# Altium PCB H7.PcbDoc (part 3 of 3)
Units mil, origin at the board's own origin, x right, y up, seen from the top; angles counter-clockwise.
Board outline 6496.06 x 3937.01 mil, 2 copper layers (Top Layer, Bottom Layer); 118 components, 150 nets, 635 pads, 5958 vias.
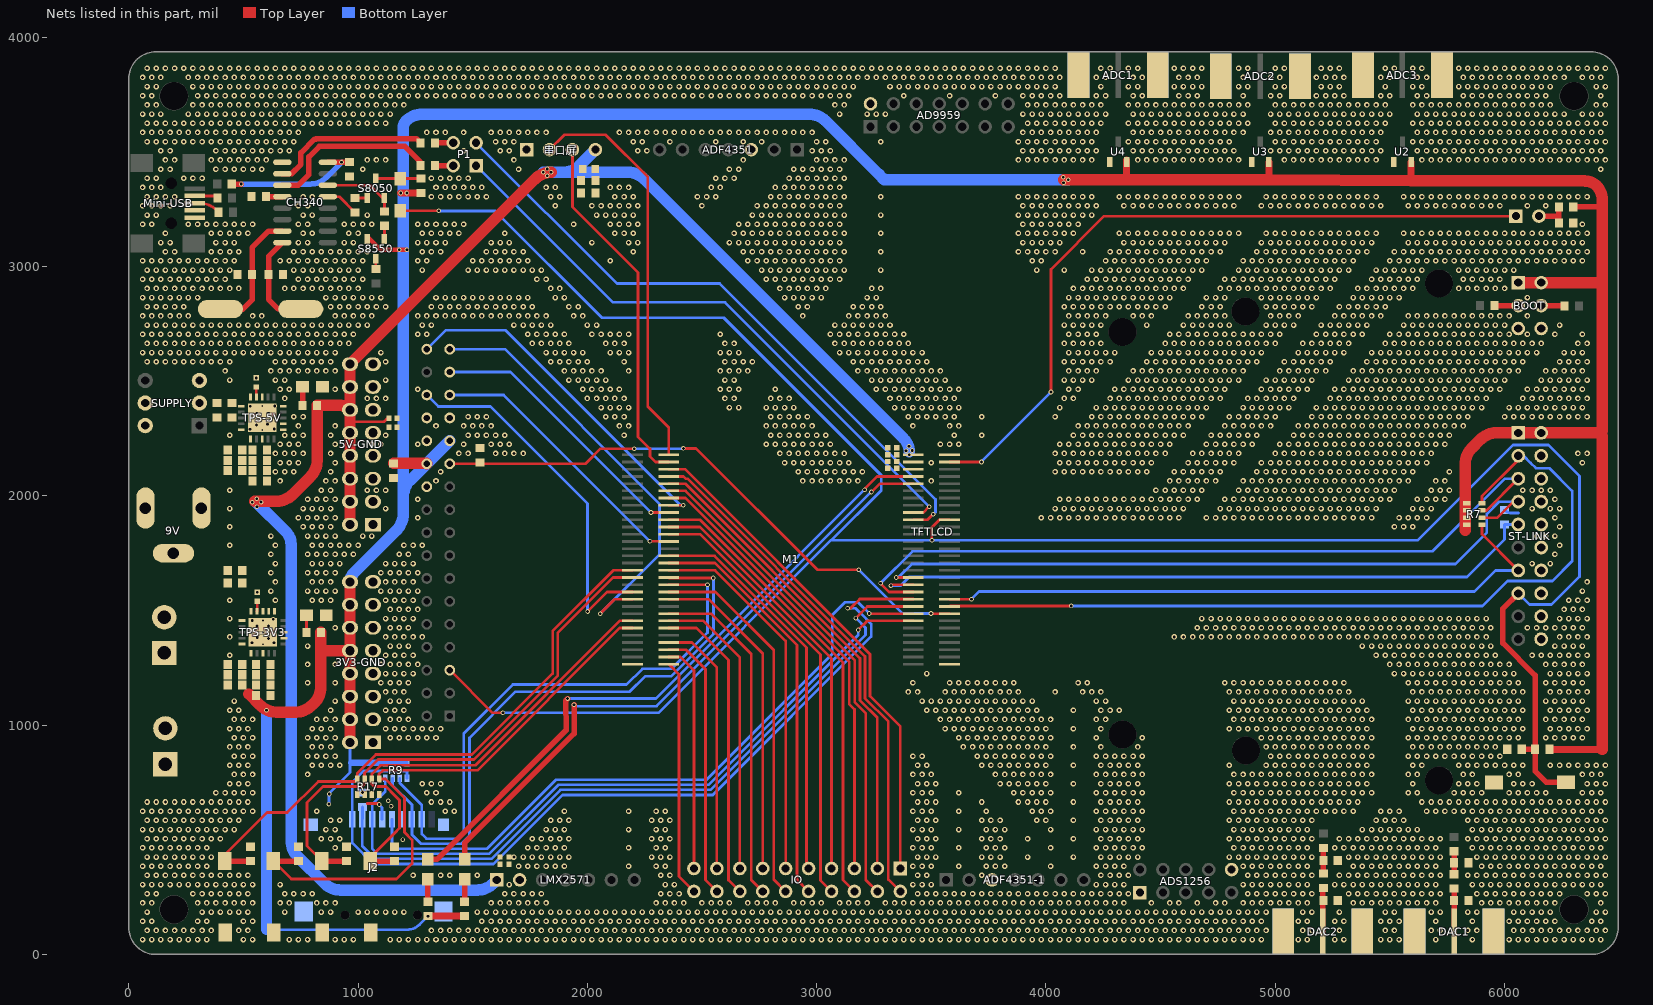
[diagram p3: the nets of this part, all layers, seen from the top]

## Via types
v1: diameter 24, hole 12, Top Layer to Bottom Layer, tented both sides, 5847 vias
v2: diameter 20, hole 12, Top Layer to Bottom Layer, tented both sides, 111 vias

## Nets (pads, with @x,y where several pads share a name; then routed paths per layer and width w, separated by ;. In a path a pad name is that pad's centre, name@x,y a point inside that pad or via, vN(x,y) a via of type N, cw(c..) or ccw(c..) an arc to the next point about the centre after c; other vN are vias at no path point) (continued)
GND: (continued)
  other v1: 5020,3585 5060,3585 5100,3585 5140,3585 5180,3585 5220,3585 5260,3585 5300,3585 5340,3585 5380,3585 5420,3585 5460,3585 5620,3585 5660,3585 5700,3585 5740,3585 5780,3585 5820,3585 5860,3585 5900,3585 5940,3585 5980,3585 6020,3585 6060,3585 6100,3585 6140,3585 6180,3585 6220,3585 6260,3585 6300,3585 6340,3585 6380,3585 6420,3585 80,3625 120,3625 160,3625 200,3625 240,3625 280,3625 320,3625 360,3625 400,3625 440,3625 480,3625 520,3625 560,3625 600,3625 640,3625 680,3625 720,3625 760,3625 800,3625 840,3625 880,3625 920,3625 960,3625 1000,3625 1040,3625 1080,3625 1120,3625 3920,3625 3960,3625 4000,3625 4040,3625 4080,3625 4120,3625 4160,3625 4200,3625 4240,3625 4360,3625 4400,3625 4440,3625 4480,3625 4520,3625 4560,3625 4600,3625 4640,3625 4680,3625 4720,3625 4760,3625 4800,3625 4840,3625 4880,3625 5000,3625 5040,3625 5080,3625 5120,3625 5160,3625 5200,3625 5240,3625 5280,3625 5320,3625 5360,3625 5400,3625 5440,3625 5480,3625 5600,3625 5640,3625 5680,3625 5720,3625 5760,3625 5800,3625 5840,3625 5880,3625 5920,3625 5960,3625 6000,3625 6040,3625 6080,3625 6120,3625 6160,3625 6200,3625 6240,3625 6280,3625 6320,3625 6360,3625 6400,3625 6440,3625 60,3665 100,3665 140,3665 260,3665 300,3665 340,3665 380,3665 420,3665 460,3665 500,3665 540,3665 580,3665 620,3665 660,3665 700,3665 740,3665 780,3665 820,3665 860,3665 900,3665 940,3665 980,3665 1020,3665 1060,3665 1100,3665 1140,3665 3100,3665 3220,3665 3260,3665 3300,3665 3900,3665 3940,3665 3980,3665 4020,3665 4060,3665 4100,3665 4140,3665 4180,3665 4220,3665 4260,3665 4380,3665 4420,3665 4460,3665 4500,3665 4540,3665 4580,3665 4620,3665 4660,3665 4700,3665 4740,3665 4780,3665 4820,3665 4860,3665 4980,3665 5020,3665 5060,3665 5100,3665 5140,3665 5180,3665 5220,3665 5260,3665 5300,3665 5340,3665 5380,3665 5420,3665 5460,3665 5500,3665 5620,3665 5660,3665 5700,3665 5740,3665 5780,3665 5820,3665 5860,3665 5900,3665 5940,3665 5980,3665 6020,3665 6060,3665 6100,3665 6140,3665 6180,3665 6220,3665 6260,3665 6340,3665 6380,3665 6420,3665 80,3705 120,3705 280,3705 320,3705 360,3705 400,3705 440,3705 480,3705 520,3705 560,3705 600,3705 640,3705 680,3705 720,3705 760,3705 800,3705 840,3705 880,3705 920,3705 960,3705 1000,3705 1040,3705 1080,3705 1120,3705 1160,3705 1200,3705 3080,3705 3120,3705 3920,3705 3960,3705 4000,3705 4040,3705 4080,3705 4120,3705 4160,3705 4200,3705 4240,3705 4360,3705 4400,3705 4440,3705 4480,3705 4520,3705 4560,3705 4600,3705 4640,3705 4680,3705 4720,3705 4760,3705 4800,3705 4840,3705 4880,3705 5000,3705 5040,3705 5080,3705 5120,3705 5160,3705 5200,3705 5240,3705 5280,3705 5320,3705 5360,3705 5400,3705 5440,3705 5480,3705 5600,3705 5640,3705 5680,3705 5720,3705 5760,3705 5800,3705 5840,3705 5880,3705 5920,3705 5960,3705 6000,3705 6040,3705 6080,3705 6120,3705 6160,3705 6200,3705 6400,3705 6440,3705 60,3745 100,3745 300,3745 340,3745 380,3745 420,3745 460,3745 500,3745 540,3745 580,3745 620,3745 660,3745 700,3745 740,3745 780,3745 820,3745 860,3745 900,3745 940,3745 980,3745 1020,3745 1060,3745 1100,3745 1140,3745 1180,3745 1220,3745 1260,3745 1300,3745 1340,3745 1380,3745 1420,3745 1460,3745 1500,3745 1540,3745 1580,3745 1620,3745 1660,3745 1700,3745 1740,3745 1780,3745 1820,3745 1860,3745 1900,3745 1940,3745 1980,3745 2020,3745 2060,3745 2100,3745 2140,3745 2180,3745 2220,3745 2260,3745 2300,3745 2340,3745 2380,3745 2420,3745 2460,3745 2500,3745 2540,3745 2580,3745 2620,3745 2660,3745 2700,3745 2740,3745 2780,3745 2820,3745 2860,3745 2900,3745 2940,3745 2980,3745 3020,3745 3060,3745 3100,3745 3140,3745 3380,3745 3580,3745 3780,3745 3900,3745 3940,3745 3980,3745 4020,3745 4060,3745 4220,3745 4260,3745 4380,3745 4420,3745 4580,3745 4620,3745 4660,3745 4860,3745 4980,3745 5020,3745 5180,3745 5220,3745 5260,3745 5300,3745 5460,3745 5500,3745 5620,3745 5660,3745 5820,3745 5860,3745 5900,3745 5940,3745 5980,3745 6020,3745 6060,3745 6100,3745 6140,3745 6180,3745 6420,3745 80,3785 120,3785 280,3785 320,3785 360,3785 400,3785 440,3785 480,3785 520,3785 560,3785 600,3785 640,3785 680,3785 720,3785 760,3785 800,3785 840,3785 880,3785 920,3785 960,3785 1000,3785 1040,3785 1080,3785 1120,3785 1160,3785 1200,3785 1240,3785 1280,3785 1320,3785 1360,3785 1400,3785 1440,3785 1480,3785 1520,3785 1560,3785 1600,3785 1640,3785 1680,3785 1720,3785 1760,3785 1800,3785 1840,3785 1880,3785 1920,3785 1960,3785 2000,3785 2040,3785 2080,3785 2120,3785 2160,3785 2200,3785 2240,3785 2280,3785 2320,3785 2360,3785 2400,3785 2440,3785 2480,3785 2520,3785 2560,3785 2600,3785 2640,3785 2680,3785 2720,3785 2760,3785 2800,3785 2840,3785 2880,3785 2920,3785 2960,3785 3000,3785 3040,3785 3080,3785 3120,3785 3160,3785 3320,3785 3360,3785 3400,3785 3440,3785 3480,3785 3520,3785 3560,3785 3600,3785 3640,3785 3680,3785 3720,3785 3760,3785 3800,3785 3840,3785 3880,3785 3920,3785 3960,3785 4000,3785 4040,3785 4240,3785 4360,3785 4400,3785 4560,3785 4600,3785 4640,3785 4680,3785 4840,3785 4880,3785 5000,3785 5040,3785 5200,3785 5240,3785 5280,3785 5480,3785 5600,3785 5640,3785 5800,3785 5840,3785 5880,3785 5920,3785 5960,3785 6000,3785 6040,3785 6080,3785 6120,3785 6160,3785 6200,3785 6400,3785 6440,3785 60,3825 100,3825 140,3825 260,3825 300,3825 340,3825 380,3825 420,3825 460,3825 500,3825 540,3825 580,3825 620,3825 660,3825 700,3825 740,3825 780,3825 820,3825 860,3825 900,3825 940,3825 980,3825 1020,3825 1060,3825 1100,3825 1140,3825 1180,3825 1220,3825 1260,3825 1300,3825 1340,3825 1380,3825 1420,3825 1460,3825 1500,3825 1540,3825 1580,3825 1620,3825 1660,3825 1700,3825 1740,3825 1780,3825 1820,3825 1860,3825 1900,3825 1940,3825 1980,3825 2020,3825 2060,3825 2100,3825 2140,3825 2180,3825 2220,3825 2260,3825 2300,3825 2340,3825 2380,3825 2420,3825 2460,3825 2500,3825 2540,3825 2580,3825 2620,3825 2660,3825 2700,3825 2740,3825 2780,3825 2820,3825 2860,3825 2900,3825 2940,3825 2980,3825 3020,3825 3060,3825 3100,3825 3140,3825 3180,3825 3220,3825 3260,3825 3300,3825 3340,3825 3380,3825 3420,3825 3460,3825 3500,3825 3540,3825 3580,3825 3620,3825 3660,3825 3700,3825 3740,3825 3780,3825 3820,3825 3860,3825 3900,3825 3940,3825 3980,3825 4020,3825 4060,3825 4220,3825 4260,3825 4380,3825 4420,3825 4580,3825 4620,3825 4660,3825 4860,3825 4980,3825 5020,3825 5180,3825 5220,3825 5260,3825 5300,3825 5460,3825 5500,3825 5620,3825 5660,3825 5820,3825 5860,3825 5900,3825 5940,3825 5980,3825 6020,3825 6060,3825 6100,3825 6140,3825 6180,3825 6220,3825 6260,3825 6340,3825 6380,3825 6420,3825 80,3865 120,3865 160,3865 200,3865 240,3865 280,3865 320,3865 360,3865 400,3865 440,3865 480,3865 520,3865 560,3865 600,3865 640,3865 680,3865 720,3865 760,3865 800,3865 840,3865 880,3865 920,3865 960,3865 1000,3865 1040,3865 1080,3865 1120,3865 1160,3865 1200,3865 1240,3865 1280,3865 1320,3865 1360,3865 1400,3865 1440,3865 1480,3865 1520,3865 1560,3865 1600,3865 1640,3865 1680,3865 1720,3865 1760,3865 1800,3865 1840,3865 1880,3865 1920,3865 1960,3865 2000,3865 2040,3865 2080,3865 2120,3865 2160,3865 2200,3865 2240,3865 2280,3865 2320,3865 2360,3865 2400,3865 2440,3865 2480,3865 2520,3865 2560,3865 2600,3865 2640,3865 2680,3865 2720,3865 2760,3865 2800,3865 2840,3865 2880,3865 2920,3865 2960,3865 3000,3865 3040,3865 3080,3865 3120,3865 3160,3865 3200,3865 3240,3865 3280,3865 3320,3865 3360,3865 3400,3865 3440,3865 3480,3865 3520,3865 3560,3865 3600,3865 3640,3865 3680,3865 3720,3865 3760,3865 3800,3865 3840,3865 3880,3865 3920,3865 3960,3865 4000,3865 4040,3865 4240,3865 4280,3865 4360,3865 4400,3865 4560,3865 4600,3865 4640,3865 4680,3865 4840,3865 4880,3865 5000,3865 5040,3865 5200,3865 5240,3865 5280,3865 5480,3865 5520,3865 5600,3865 5640,3865 5800,3865 5840,3865 5880,3865 5920,3865 5960,3865 6000,3865 6040,3865 6080,3865 6120,3865 6160,3865 6200,3865 6240,3865 6280,3865 6320,3865 6360,3865 6400,3865 6440,3865
  other v2: 1195,501 1144,647 1132,670 633,1359 538,1360 609,1378 560,1382 559,1433 610,1433 539,1457 630,1462 560,1579.37 529,2291 635,2292 557,2309 605,2313 558,2359 610,2360 530,2391 637,2392 556,2514.37
JTCK: M1.J1_42 R8.1 ST-LINK.5 | length 2983.6
  Top Layer w11.8: v2(3324,1609) 3327.52,1612.52 M1.J1_42@3421.91,1612.52
  Bottom Layer w11.8: v2(3324,1609) 3367,1609 3404,1646 5836,1646 6000,1810 R8.1@6000,1875 ST-LINK.5@6060,1875
JTDI: M1.J1_41 R7.3 ST-LINK.3 | length 3344.8
  Top Layer w11.8: v2(3279,1619) 3279,1617.37 3315.35,1581.02 M1.J1_41@3421.91,1581.02 ; R7.3@5902,1936.5 5921.5,1936.5 ST-LINK.3@6060,2075
  Bottom Layer w11.8: v2(3279,1619) 3418,1758 5685,1758 6002,2075 ST-LINK.3@6060,2075
JTDO: M1.J1_21 R7.1 ST-LINK.7 | length 2796.5
  Top Layer w11.8: M1.J1_21@3579.39,1549.53 v2(3675.47,1549.53) ; R7.1@5902,1873.5 5902,1833 ST-LINK.7@6060,1675
  Bottom Layer w11.8: v2(3675.47,1549.53) 3708.95,1583 5869,1583 5961,1675 ST-LINK.7@6060,1675
JTMS: M1.J1_43 R7.2 ST-LINK.4 | length 3159.4
  Top Layer w11.8: v2(3347,1644) M1.J1_43@3421.91,1644.02 ; R7.2@5902,1905 5969,1905 6039,1975 ST-LINK.4@6060,1975
  Bottom Layer w11.8: v2(3347,1644) 3356,1644 3415,1703 5786,1703 5923,1840 5923,1920.88 5977.12,1975 ST-LINK.4@6060,1975
JTRST: M1.J1_22 R7.4 ST-LINK.2 | length 3674.4
  Top Layer w11.8: M1.J1_22@3579.39,1518.03 3581.36,1520 v2(4111,1520) ; R7.4@5902,1967.99 5902,1999 6060,2157 ST-LINK.2@6060,2175
  Bottom Layer w11.8: v2(4111,1520) 5904,1520 6013,1629 6209,1629 6295,1715 6295,2021 6195.1,2120.9 6137.1,2120.9 6114.1,2143.9 6113.1,2143.9 6082,2175 ST-LINK.2@6060,2175
KEY0: C37.1 KEY0.1 M1.J2_44 R17.4 | length 2555.2
  Top Layer w11.8: KEY0.1@419.21,407.31 419.21,435.21 603,619 691,619 826.8,754.8 986.81,754.8 R17.4@997.01,765 997.01,791.01 1077.8,871.8 1496.31,871.8 1849,1224.49 1849,1411.46 2113.01,1675.47 M1.J2_44@2197.52,1675.47
  Top Layer w24: KEY0.1@419.53,407 C37.1@530,407
KEY1: C38.1 KEY1.1 M1.J2_43 R17.3 | length 2353.3
  Top Layer w11.8: KEY1.1@842.55,407.31 777,472.86 777,662 848,733 1017,733 1028.5,744.5 R17.3@1028.5,765 1028.5,791.5 1087,850 1505.34,850 1870.8,1215.46 1870.8,1402.43 2112.35,1643.98 M1.J2_43@2197.52,1643.98
  Top Layer w24: KEY1.1@842.86,407 C38.1@950,407
KEY2: C39.1 KEY2.1 M1.J2_37 R17.2 | length 2025.9
  Top Layer w11.8: KEY2.1@1054.21,414.1 1054.21,424.09 1160,529.88 ; 1160,693.86 1160,694 1121,733 1070,733 1060,743 R17.2@1060,765 1060,788 1097,825 1511.17,825 2141.17,1455 M1.J2_37@2197.52,1455
  Top Layer w12: 1159.93,693.93 1160,693.86 1181.1,672.76 1181.1,550.98 1160,529.88
  Top Layer w24: KEY2.1@1054.53,407 C39.1@1160,407
KEY3: C40.1 KEY3.1 M1.J2_36 R17.1 | length 2609.9
  Top Layer w11.8: KEY3.1@631.19,407 709.19,329 1168,329 1236,397 1236,500 1203,533 1203,681.83 1119.83,765 R17.1@1091.5,765 1091.5,786.5 1108.2,803.2 1520.2,803.2 2140.5,1423.5 M1.J2_36@2197.52,1423.5
  Top Layer w24: KEY3.1@631.19,407 C40.1@740,407
LCD_BL: M1.J1_23 R25.2 TFTLCD.23 | length 2509
  Top Layer w11.8: TFTLCD.23@1400,2140 1991,2140 2057,2206 v2(2205,2206) ; v2(2419,2207) 2474,2207 3002.81,1678.19 v2(3183.19,1678.19) ; v2@3499.46,1486.54 M1.J1_23@3579.39,1486.54
  Bottom Layer w11.8: v2(2205,2206) v2@2418,2206 ; v2@2418,2207 v2(2419,2207) ; v2@3180,1675 v2(3183.19,1678.19) 3253.1,1608.27 3374.37,1487 v2(3499,1487)
LED0: LD0.2 M1.J1_56 | length 2756
  Top Layer w11.8: v2(3239,2017) 3275.46,2053.46 M1.J1_56@3421.91,2053.46
  Top Layer w24: LD0.2@1465,415 1465,486 1942,963 v2(1942,1089)
  Bottom Layer w11.8: v2(1942,1089) 1948,1083 2302.49,1083 3236.49,2017 v2(3239,2017)
LED1: LD1.2@1305,415 M1.J1_57 | length 2888.9
  Top Layer w11.8: v2(3209,2027) 3209,2030 3263.96,2084.96 M1.J1_57@3421.91,2084.96
  Top Layer w24: LD1.2@1305,415 1344,415 1908,979 1905,1107 v2(1914,1116)
  Bottom Layer w11.8: v2(1914,1116) 2298.83,1116 2627.8,1444.97 2627.8,1445.8 v2(3209,2027)
Net1N4148_2: 1N4148.2 R30.1 S8050.3 | length 196.7
  Top Layer w12: S8050.3@1078.31,3384 1N4148.2@1184,3384 R30.1@1275,3384
NetBOOT_3: BOOT.3 R18.1 | length 103.5
  Top Layer w24: R18.1@5956.5,2830 BOOT.3@6060,2830
NetBOOT_4: BOOT.4 R19.2 | length 101
  Top Layer w24: BOOT.4@6161,2829 R19.2@6262,2829
NetC4_2: C4.2 CH340.4 | length 72
  Top Layer w24: C4.2@597.99,3305 CH340.4@670,3305
NetC5_2: C5.2 CH340.7 Y1.2 | length 446.6
  Top Layer w24: Y1.2@497.83,2814.83 537.99,2854.99 C5.2@537.99,2965 537.99,3082.99 610,3155 CH340.7@670,3155
NetC6_2: C6.2 CH340.8 Y1.1 | length 332
  Top Layer w24: Y1.1@651.83,2815.17 610,2857 C6.2@610,2965 610,3045 CH340.8@670,3105
NetC7_1: C7.1 CH340.16 R4.2 | length 608.1
  Top Layer w24: R4.2@448.99,3360 v2(491,3360) ; CH340.16@869,3455.5 C7.1@963,3455.5
  Bottom Layer w24: v2(491,3360) 791.58,3360 ccw(c791.58,3460) 862.29,3389.29 v2(928,3455)
NetC10_2: C10.2 TPS-5V.14 | length 43.6
  Top Layer w11.8: C10.2@556,2475 cw(c554.61,2473.61) 556.57,2473.61 TPS-5V.14@556.57,2431.54
NetC20_2: C20.2 TPS-3V3.14 | length 43.6
  Top Layer w12: TPS-3V3.14@559.41,1496.54 ccw(c557.98,1497.96) 560,1497.96 C20.2@560,1540
NetC42_2: C42.2 R20.2 R21.1 | length 100
  Top Layer w24: R21.1@5780,350 C42.2@5780,400 R20.2@5780,450
NetC43_2: C43.2 DAC1.1 R21.2 | length 187
  Top Layer w24: DAC1.1@5780,100 C43.2@5780,235 R21.2@5780,287.01
NetC44_2: C44.2 R22.2 R23.1 | length 112
  Top Layer w24: R23.1@5210,352.99 C44.2@5210,410 R22.2@5210,465
NetC45_2: C45.2 DAC2.1 R23.2 | length 187.5
  Top Layer w24: DAC2.1@5207.5,100 R23.2@5207.5,287.5
NetC46_2: C46.2 R24.1 VREF.2 | length 155
  Top Layer w24: VREF.2@6150,3220 6235.01,3220 ; C46.2@6237.01,3190 R24.1@6237.01,3260
NetCH340_2: CH340.2 R2.1 | length 702.1
  Top Layer w24: CH340.2@670,3405 710,3405 751,3446 751,3496 811,3556 814.92,3556 816.92,3558 1254.01,3558 R2.1@1272.01,3540
NetCH340_3: CH340.3 R3.1 | length 761.9
  Top Layer w24: CH340.3@670,3355 740,3355 786,3401 786,3479 831,3524 1204,3524 1272.01,3455.99 R3.1@1272.01,3440
NetCH340_13: CH340.13 R29.1 | length 147.1
  Top Layer w12: CH340.13@868.5,3305 918.01,3305 R29.1@987,3236.01
NetCH340_14: CH340.14 R27.2 S8050.2 | length 326.3
  Top Layer w12: CH340.14@868.5,3355 1051.22,3355 1107.52,3298.69 S8050.2@1114.4,3298.69 ; R27.2@1115,3240.99 S8050.2@1115,3298.09
NetLD1_1: LD1.1@757.99,2475 R11.2 | length 79.5
  Top Layer w24: R11.2@758.5,2395 LD1.1@758.5,2474.49
NetLD2_1: LD2.1 R12.2 | length 74.9
  Top Layer w12: R12.2@775,1405 LD2.1@775.03,1479.94
NetLD3_1: LD0.1 R15.1 | length 98
  Top Layer w24: R15.1@1465,230 LD0.1@1465,327.99
NetLD4_1: LD1.1@1305,327.99 R16.1 | length 98
  Top Layer w24: R16.1@1305,230 LD1.1@1305,327.99
NetMini-USB_2: Mini-USB.2 R5.1 | length 102.1
  Top Layer w12: Mini-USB.2@287.36,3308.11 365.01,3308.11 cw(c365.01,3277.01) R5.1@387,3299
NetMini-USB_3: Mini-USB.3 R6.1 | length 116.7
  Top Layer w12: Mini-USB.3@287.36,3276.61 310.97,3276.61 cw(c310.97,3176.61) 381.68,3247.32 R6.1@392,3237
NetR27_1: R27.1 S8550.1 | length 56.8
  Top Layer w12: S8550.1@1115,3121.2 R27.1@1115,3178
NetR28_1: R28.1 S8550.3 | length 44.8
  Top Layer w12: R28.1@1077.4,2989.6 S8550.3@1077.4,3034.39
NetR29_2: R29.2 S8050.1 | length 52.3
  Top Layer w12: R29.2@987,3299 S8050.1@1039.29,3299
PA8: IO.12 M1.J2_20 | length 1636.7
  Top Layer w11.8: M1.J2_20@2355,1580.98 2559.02,1580.98 2813,1327 2813,327 IO.12@2865,275
PA9: M1.J1_51 P1.3 | length 2812.9
  Top Layer w11.8: M1.J1_51@3421.91,1895.98 3482.98,1895.98 3507,1920 v2(3509,1920)
  Bottom Layer w11.8: P1.3@1515,3540 2129,2926 2577,2926 3518,1985 3518,1929 v2(3509,1920)
PA10: M1.J1_52 P1.1 | length 2671.6
  Top Layer w11.8: M1.J1_52@3421.91,1927.48 3465.48,1927.48 v2(3491,1953)
  Bottom Layer w11.8: P1.1@1515,3440 2111,2844 2600,2844 v2(3491,1953)
PB10: M1.J2_2 串口屏.3 | length 1570
  Top Layer w11.8: 串口屏.3@1935,3510 1935,3260 2221,2974 2221,2257 2273,2205 2273,2172 2297.09,2147.91 M1.J2_2@2355,2147.91
PB11: M1.J2_1 串口屏.2 | length 1781.4
  Top Layer w11.8: 串口屏.2@1835,3510 1900,3575 2080,3575 2263,3392 2263,2391 2355,2299 M1.J2_1@2355,2179.41
PB12: IO.2 M1.J2_4 | length 2290.1
  Top Layer w11.8: M1.J2_4@2355,2084.92 2419.08,2084.92 2428.78,2075.22 2436.09,2075.22 3211,1300.32 3211,1117.34 3313,1015.34 3313,327 3355,285 3375,285 IO.2@3365,275
PB13: IO.3 M1.J2_5 | length 2097.6
  Top Layer w11.8: M1.J2_5@2355,2053.42 2427.06,2053.42 3189.2,1291.29 3189.2,1108.31 3265,1032.51 IO.3@3265,375
PB14: IO.4 M1.J2_6 | length 2166.5
  Top Layer w11.8: M1.J2_6@2355,2021.93 2427.73,2021.93 3166,1283.66 3166,1100.68 3214,1052.68 3214,326 IO.4@3265,275
PB15: IO.5 M1.J2_7 | length 1993.9
  Top Layer w11.8: M1.J2_7@2355,1990.43 2428.4,1990.43 3142,1276.83 3142,1092 3165,1069 IO.5@3165,375
PC6: IO.10 M1.J2_16 | length 1802.3
  Top Layer w11.8: M1.J2_16@2355,1706.97 2555.86,1706.97 2914,1348.83 2914,326 IO.10@2965,275
PC7: IO.11 M1.J2_17 | length 1629.8
  Top Layer w11.8: M1.J2_17@2355,1675.47 2556.53,1675.47 2865,1367 IO.11@2865,375
PC8: J2.7 M1.J2_18 R9.7 | length 2681
  Top Layer w11.8: M1.J2_18@2355,1643.98 2356.98,1642 v2(2549,1642)
  Bottom Layer w11.8: 1486,944.63 1687.37,1146 2185,1146 2252,1213 2365,1213 2549.9,1397.9 2549.9,1641.1 v2(2549,1642)
  Bottom Layer w12: R9.7@1150.5,769 1150.5,737.5 1234.92,653.08 J2.7@1234.92,590 1234.92,522.08 1274,483 1450.55,483 1486,518.45 1486,944.63
PC9: J2.8 M1.J2_19 R9.6 | length 2548.3
  Top Layer w11.8: M1.J2_19@2355,1612.48 2355.52,1613 v2(2524,1613)
  Bottom Layer w11.8: 1461,963 1675,1177 2171,1177 2240,1246 2366,1246 2524,1404 ; v2(2524,1613) 2524,1404 ; 2524,1404 2524.59,1403.41 2524,1402.83 2524,1404
  Bottom Layer w12: R9.6@1182,769 1182,747 1278.23,650.77 J2.8@1278.23,590 1278.23,524.77 1298,505 1441.44,505 1461,524.56 1461,963
PC10: J2.1 M1.J1_40 R9.5 | length 3760.6
  Top Layer w11.8: 3187,1550 3421.44,1550 M1.J1_40@3421.91,1549.53
  Top Layer w12: v2(3135,1510) 3148,1510 3187,1549 3187,1550
  Bottom Layer w12: R9.5@1213.5,769 1213.5,800.75 1023.75,800.75 975.08,752.08 J2.1@975.08,590 975.08,485.92 1066,395 1591,395 1892,696 2547,696 3238,1387 3238,1440.77 3217.77,1461 3219.23,1461 3170.23,1510 v2(3135,1510)
PC11: J2.2 M1.J1_39 R10.2 | length 3155
  Top Layer w11.8: 3221,1518 M1.J1_39@3421.91,1518.03
  Top Layer w12: v2(3171,1467) 3171,1468 3221,1518
  Bottom Layer w12: J2.2@1018.39,590 1018.39,473.73 1075.11,417 1581.89,417 1882.89,718 2537.89,718 3213,1393.11 3213,1425 v2(3171,1467) ; J2.2@1019,590.61 R10.2@1019,643
PC12: J2.5 M1.J1_38 | length 2955.5
  Top Layer w11.8: v2(3230,1487) 3230.46,1486.54 M1.J1_38@3421.91,1486.54
  Bottom Layer w12: J2.5@1148.31,590 1148.31,481.69 1169,461 1562.89,461 1863.89,762 2519.66,762 3068,1310.34 3068,1479.77 3124.23,1536 3181,1536 v2(3230,1487)
PD2: J2.3 M1.J1_37 R9.8 | length 3135
  Top Layer w11.8: 3220.96,1455.04 M1.J1_37@3421.91,1455.04
  Top Layer w12: v2(3181,1415.08) 3220.96,1455.04
  Bottom Layer w12: R9.8@1119.01,769 1119.01,712.01 1061.69,654.69 J2.3@1061.69,590 1061.69,461.53 1084.23,439 1572,439 1873,740 2528.77,740 3181,1392.23 v2(3181,1415.08)
PD6: IO.17 M1.J2_27 | length 1131.9
  Top Layer w11.8: M1.J2_27@2355,1360.51 2456.49,1360.51 2565,1252 IO.17@2565,375
PD11: IO.14 M1.J2_23 | length 1488.8
  Top Layer w11.8: M1.J2_23@2355,1486.5 2538.5,1486.5 2715,1310 2715,325 IO.14@2765,275
PD12: IO.13 M1.J2_21 | length 1446
  Top Layer w11.8: M1.J2_21@2355,1549.49 2528.51,1549.49 2765,1313 IO.13@2765,375
PG3: M1.J2_13 TFTLCD.29 | length 1206.7
  Top Layer w11.8: v2(2273,1802) M1.J2_13@2342.46,1802
  Bottom Layer w11.8: TFTLCD.29@1400,2440 1635,2440 v2(2273,1802)
PG6: IO.9 M1.J2_15 | length 1737.7
  Top Layer w11.8: M1.J2_15@2355,1738.46 2555.2,1738.46 2955.6,1338.06 2955.6,377 2957.6,375 IO.9@2965,375
PG12: IO.16 M1.J2_25 | length 1348.1
  Top Layer w11.8: M1.J2_25@2355,1423.5 2476.5,1423.5 2616,1284 2616,324 IO.16@2665,275
PH6: M1.J2_8 TFTLCD.34 | length 1534.8
  Top Layer w11.8: v2(2417.94,1958.94) v2@2417.94,1962
  Top Layer w12: M1.J2_8@2355,1958.94 v2(2417.94,1958.94)
  Bottom Layer w11.8: TFTLCD.34@1300,2640 1383,2723 1642,2723 2403,1962
  Bottom Layer w12: 2403,1962 2406.06,1958.94 v2(2417.94,1958.94)
PH7: M1.J2_9 TFTLCD.31 | length 1208.7
  Top Layer w11.8: v2(2277.56,1927.44) M1.J2_9@2355,1927.44
  Bottom Layer w11.8: TFTLCD.31@1400,2540 1665,2540 v2(2277.56,1927.44)
PH8: IO.1 M1.J2_3 | length 2201.2
  Top Layer w11.8: M1.J2_3@2355,2116.42 2425.73,2116.42 3232.8,1309.35 3232.8,1126.37 3365,994.17 IO.1@3365,375
PH9: IO.6 M1.J2_10 | length 2036.7
  Top Layer w11.8: M1.J2_10@2355,1895.94 2492.06,1895.94 3115,1273 3115,325 IO.6@3165,275
PH10: IO.7 M1.J2_11 | length 1863.1
  Top Layer w11.8: M1.J2_11@2355,1864.45 2490.87,1864.45 3065,1290.32 IO.7@3065,375
PH11: IO.8 M1.J2_12 | length 1932
  Top Layer w11.8: M1.J2_12@2355,1832.95 2491.54,1832.95 3017,1307.49 3017,323 IO.8@3065,275
PH12: IO.15 M1.J2_24 | length 1296.9
  Top Layer w11.8: M1.J2_24@2355,1455 2506,1455 2665,1296 IO.15@2665,375
PH13: IO.20 M1.J2_30 | length 1064.6
  Top Layer w11.8: M1.J2_30@2383,1266.02 M1.J2_30@2355,1266.02 2400,1221.02 2400,340 IO.20@2465,275
PH14: IO.19 M1.J2_29 | length 998.2
  Top Layer w11.8: M1.J2_29@2355,1297.52 2406.48,1297.52 2465,1239 IO.19@2465,375
PH15: IO.18 M1.J2_28 | length 1184.9
  Top Layer w11.8: M1.J2_28@2355,1329.02 2429.98,1329.02 2515,1244 2515,325 IO.18@2565,275
PI3: M1.J2_41 TFTLCD.30 | length 1599.6
  Top Layer w11.8: v2(2001,1496) 2085.98,1580.98 M1.J2_41@2197.52,1580.98